# Altium PCB PCB1.PcbDoc
Units mm, origin at the board's own origin, x right, y up, seen from the top; angles counter-clockwise.
Board outline 156.72 x 95.12 mm, 2 copper layers (Top Layer, Bottom Layer); 24 components, 20 nets, 118 pads, 2 vias.
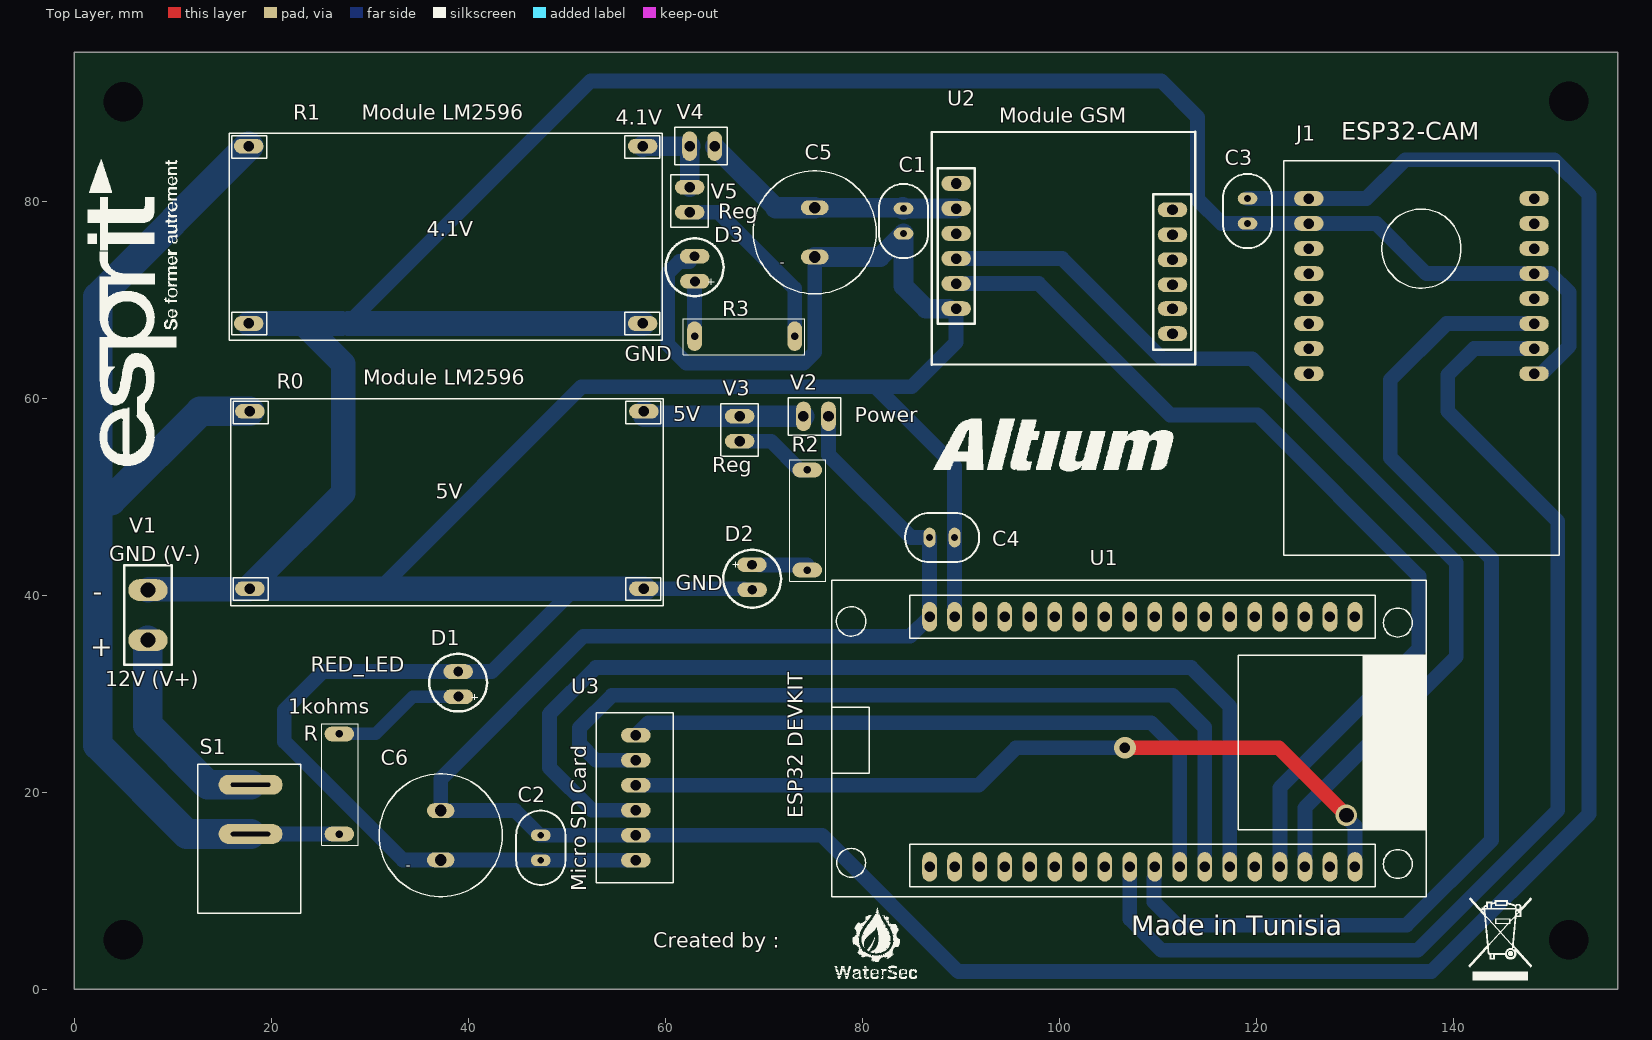
[diagram p0: Top Layer view]
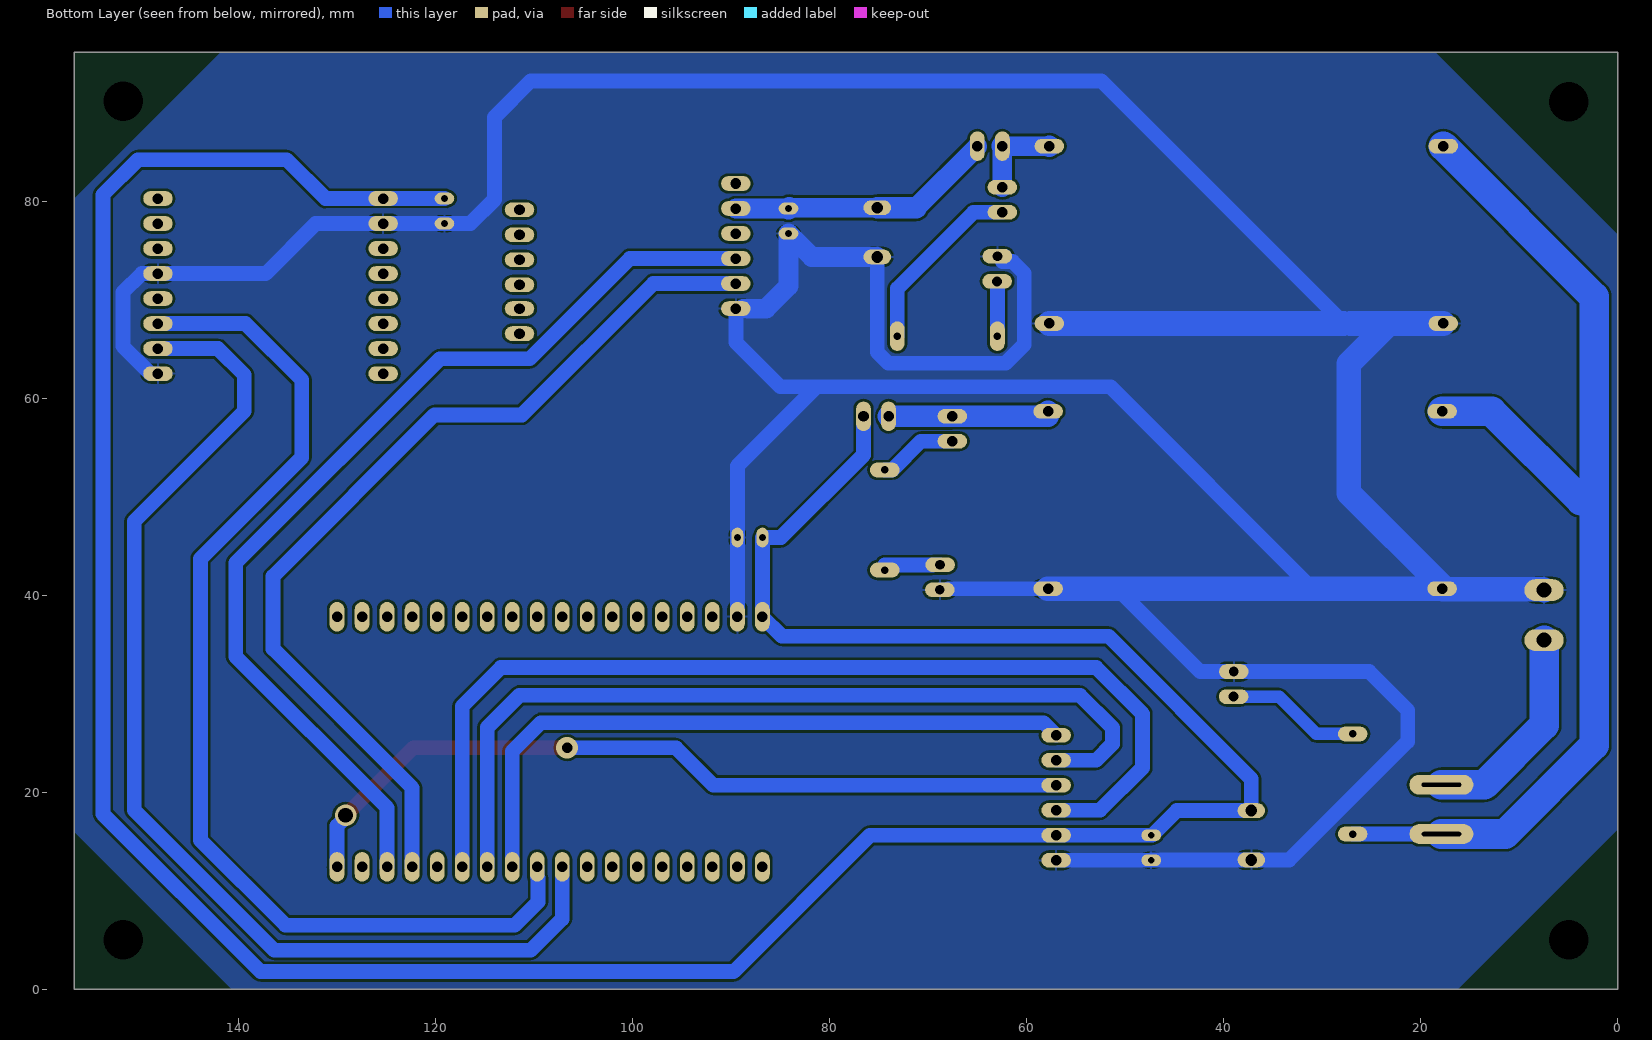
[diagram p1: Bottom Layer view, seen from below]
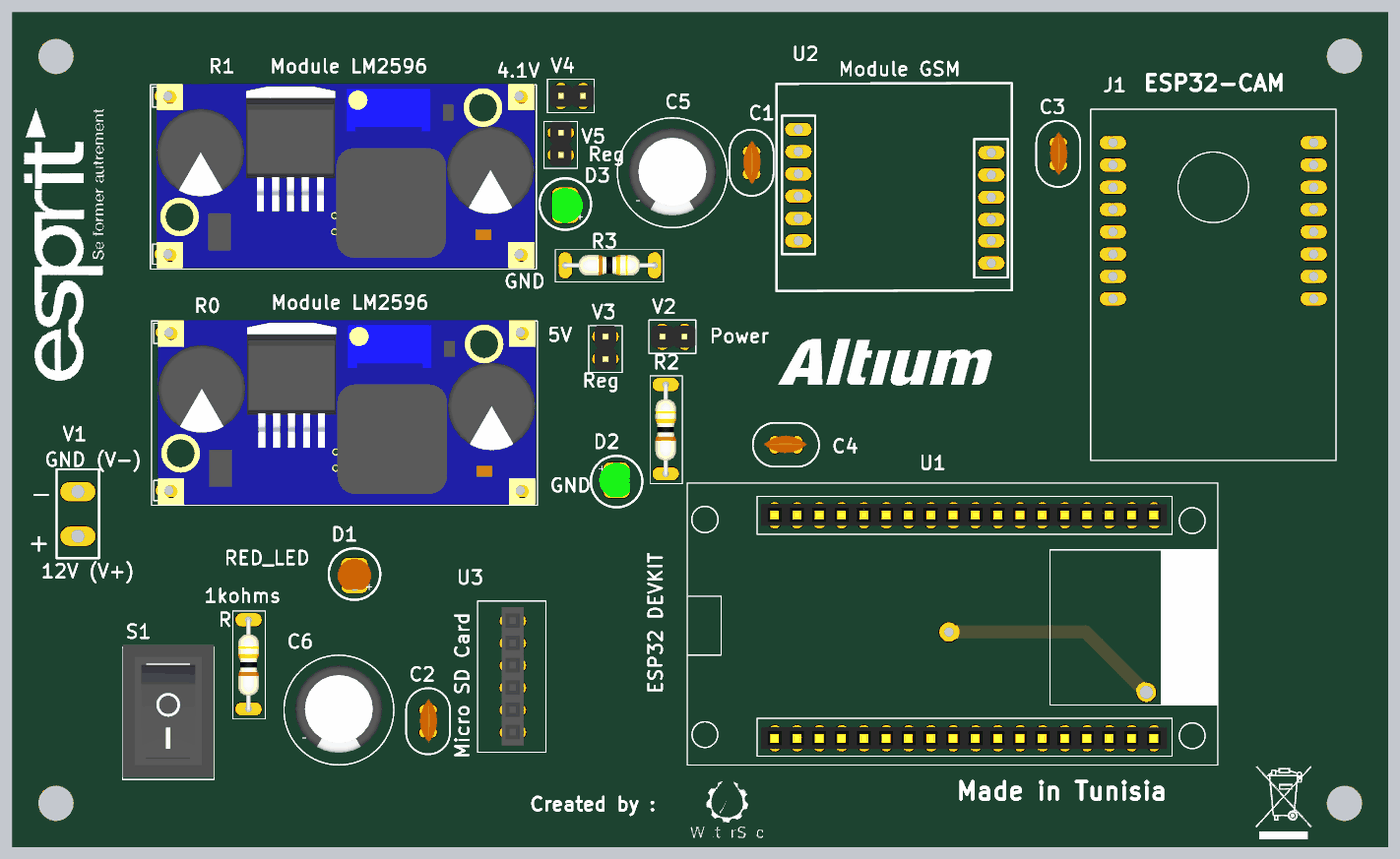
[diagram p2: 3D render of the assembled board from above, using the file's embedded part models]

## Layer stack, top to bottom
Top Solder: solder mask 0.0102, Solder Resist, Dk 3.5
Top Layer: signal copper 0.0356
Dielectric 1: dielectric 0.32, FR-4, Dk 4.8
Bottom Layer: signal copper 0.0356
Bottom Solder: solder mask 0.0102, Solder Resist, Dk 3.5

## Board outline
0,0 156.718,0 156.718,95.123 0,95.123

## Design rules (kind name [scope] priority, off if disabled: settings)
Clearance [All] p1: gap=0.254 ignorepadtopadclearanceinfootprint=FALSE except(0: SMDPad-Hole THPad-Hole Via-Hole Fill-Hole Poly-Hole Region-Hole Text-Hole)
PolygonConnect [All] p1: connectstyle=Relief reliefconductorwidth=0.254 reliefentries=4 polygonreliefangle="90 Angle" airgapwidth=0.254
RoutingVias [All] p1: holewidth=1.2 width=2.2 viastyle="Through Hole" minholewidth=1.5 minwidth=1.5 maxholewidth=1 maxwidth=3
SolderMaskExpansion [All] p1: expansion=0.102
Width [All] p1: maxlimit=3 minlimit=0.75 preferedwidth=1.5
30 further rules are at their usual default settings.

## Components (designator, comment, footprint, x,y, rotation, side; value= is the part's Value field where it differs from the comment)
C1 "capacitor" CAPACITOR 84.201,79.248 r270 top
C2 "capacitor" CAPACITOR 47.371,15.621 r270 top
C3 "capacitor" CAPACITOR 119.126,80.264 r270 top
C4 "capacitor" CAPACITOR 86.847,45.847 r0 top
C5 "condensateur chimique_470uF" "condensateur chimique 470f 16v -" 75.184,76.835 r180 top value=470µF
C6 "condensateur chimique_470uF" "condensateur chimique 470f 16v -" 37.211,15.621 r180 top value=470µF
D1 "LED_RED" LED 38.989,31.115 r180 top
D2 "LED_GREEN" LED_GREEN 68.834,41.656 r0 top
D3 "LED_GREEN" LED_GREEN 62.992,73.279 r180 top
J1 "ESP32-CAM" ESP32-CAM 136.779,70.104 r180 top
R "resistor" RESISTOR 26.924,20.828 r180 top
R0 "Module LM2596" "Module LM2596" 37.846,49.657 r0 top
R1 "Module LM2596" "Module LM2596" 37.719,76.581 r0 top
R2 "resistor" RESISTOR 74.422,47.625 r180 top
R3 "resistor" RESISTOR 68.072,66.294 r90 top
S1 "KCD11" PCBComponent_1#1 17.907,18.248 r0 top
U1 "ESP32 DEVKIT V1 (36 pins)" "ESP32 DEVKIT V1 (36 pins)" 102.362,25.106 r90 top
U2 "Module SIM800L" SIM800L 94.685,69.088 r0 top
U3 "SD card" "SULLINS_PPTC061LFBN-RC - duplicate" 57.023,19.431 r90 top
V1 "bornier a visser 2 poles" "bornier a visser 2 poles" 7.493,37.973 r0 top
V2 "conector 2" PCBComponent_1#2 76.581,58.149 r270 top
V3 "conector 2" PCBComponent_1#2 67.564,58.166 r0 top
V4 "conector 2" PCBComponent_1#2 65.024,85.589 r270 top
V5 "conector 2" PCBComponent_1#2 62.484,81.407 r0 top

## Footprints (in the part's own frame and the unit in brackets; to place one, negate y for a bottom-side part, rotate by r counter-clockwise, add the part's x,y. Pads: shape width x height; smd on the part's side, far side on the other; paste and mask are expansions set on the pad)
"bornier a visser 2 poles" [mm]
  oval 4x2.2 hole 1.5: 1(0,2.54) 2(0,-2.54)
  silkscreen extent -2.41,-5.04 2.41,5.08, body extent -5.3,-4.96 5,5.64, height 14.15
CAPACITOR [mm]
  oval 1.2x2 hole 0.7: 1(0,0) 2(2.54,0)
  silkscreen extent -2.5,-2.5 5.04,2.5, body extent -1.24,-0.95 3.68,1.05, height 5
"condensateur chimique 470f 16v -" [mm]
  oval 2.8x1.5 hole 1.2: 1(0,2.5) 2(0,-2.5)
  silkscreen extent -6.25,-6.25 6.25,6.25, body extent -5,-5.13 5,4.87, height 25
"ESP32 DEVKIT V1 (36 pins)" [mm]
  oval 3x1.5 hole 1.07: 1(-12.7,15.515) 2(-12.7,12.975) 3(-12.7,10.435) 4(-12.7,7.895) 5(-12.7,5.355) 6(-12.7,2.815) 7(-12.7,0.275) 8(-12.7,-2.265) 9(-12.7,-4.805) 10(-12.7,-7.345) 11(-12.7,-9.885) 12(-12.7,-12.425) 13(-12.7,-14.965) 14(-12.7,-17.505) 15(-12.7,-20.045) 16(-12.7,-22.585) 17(-12.7,-25.125) 18(-12.7,-27.665) 19(12.7,-27.665) 20(12.7,-25.125) 21(12.7,-22.585) 22(12.7,-20.045) 23(12.7,-17.505) 24(12.7,-14.965) 25(12.7,-12.425) 26(12.7,-9.885) 27(12.7,-7.345) 28(12.7,-4.805) 29(12.7,-2.265) 30(12.7,0.275) 31(12.7,2.815) 32(12.7,5.355) 33(12.7,7.895) 34(12.7,10.435) 35(12.7,12.975) 36(12.7,15.515)
  silkscreen extent -15.75,-34.92 16.38,25.48, body extent -13.95,-29.16 14,17.06, height 5
ESP32-CAM [mm]
  oval 3x1.5 hole 1.07: 1(-11.43,7.62) 2(-11.43,5.08) 3(-11.43,2.54) 4(-11.43,0) 5(-11.43,-2.54) 6(-11.43,-5.08) 7(-11.43,-7.62) 8(-11.43,-10.16) 9(11.43,-10.16) 10(11.43,-7.62) 11(11.43,-5.08) 12(11.43,-2.54) 13(11.43,0) 14(11.43,2.54) 15(11.43,5.08) 16(11.43,7.62)
  silkscreen extent -13.97,-13.97 13.97,26.04, body extent -13.5,-14.62 13.5,25.38, height 16.1
LED [mm]
  oval 3x1.5 hole 1: A(-0.025,1.422) K(0,-1.118)
  silkscreen extent -2.93,-2.93 2.93,2.93, body extent -1.9,-1.75 1.9,1.75, height 6.5
LED_GREEN [mm]
  oval 3x1.5 hole 1: A(-0.025,1.422) K(0,-1.118)
  silkscreen extent -2.93,-2.93 2.93,2.93, body extent -1.99,-1.84 1.5,2.15, height 5.38
"Module LM2596" [mm]
  oval 3x1.5 hole 1.07: 1(-20,9) 2(-20,-9) 3(20,9) 4(20,-9)
  silkscreen extent -21.97,-10.71 21.97,10.29, body extent -21.25,-10.63 21.75,10.37, height 13
PCBComponent_1#1 [mm]
  oval 6.5x2 hole 0.42 slot 4 at 0 deg: 1(0,2.5) 2(0,-2.5)
  silkscreen extent -5.34,-10.54 5.08,4.57, body extent -5.34,-10.27 5.08,4.83, height 13.85
PCBComponent_1#2 [mm]
  oval 3x1.5 hole 1.07: 1(0,0) 2(0,-2.54)
  silkscreen extent -1.91,-4.06 1.91,1.27, body extent -1.24,-3.81 1.24,1.27, height 8.54
RESISTOR [mm]
  oval 3x1.5 hole 0.762: 1(0,5.08) 2(0,-5.08)
  silkscreen extent -1.91,-6.1 1.78,6.22, body extent -1.17,-5.28 1.17,5.41, height 2.37
SIM800L [mm]
  oval 3x1.5 hole 1.07: 1(-5.15,12.7) 2(-5.15,10.16) 3(-5.15,7.62) 4(-5.15,5.08) 5(-5.15,2.54) 6(-5.15,0) 7(16.82,-2.54) 8(16.82,0) 9(16.82,2.42) 10(16.82,4.96) 11(16.82,7.5) 12(16.82,10.04)
  silkscreen extent -7.64,-5.72 19.15,17.97, body extent -6.64,-5.36 18.36,17.77, height 15.35
"SULLINS_PPTC061LFBN-RC - duplicate" [mm]
  oval 1.5x3 hole 1.07: 1(-6.35,0) 2(-3.81,0) 3(-1.27,0) 4(1.27,0) 5(3.81,0) 6(6.35,0)
  silkscreen extent -8.63,-3.78 8.62,4.02, body extent -7.84,-1.26 7.91,1.28, height 8.51

## Part data
J1: "ESP32 ESP32 Transceiver; 802.11 a/b/g/n (Wi-Fi, WiFi, WLAN), Bluetooth® Smart 4.x Low Energy (BLE) Evaluation Board", Package=None, Check_prices=https://www.snapeda.com/parts/ESP32-CAM/AI-Thinker/view-part/?ref=eda, MF=AI-Thinker, MP=ESP32-CAM, SnapEDA_Link=https://www.snapeda.com/parts/ESP32-CAM/AI-Thinker/view-part/?ref=snap
U1: "Dual core, Wi-Fi: 2.4 GHz up to 150 Mbits/s,BLE (Bluetooth Low Energy) and legacy Bluetooth, 32 bits, Up to 240 MHz", Package=None, Check_prices=https://www.snapeda.com/parts/ESP32-DEVKIT-V1/Do+it/view-part/?ref=eda, MF="Do it", MP=ESP32-DEVKIT-V1, SnapEDA_Link=https://www.snapeda.com/parts/ESP32-DEVKIT-V1/Do+it/view-part/?ref=snap
U2: library part SIM800L
U3: library part "SD card V2"
C1 C2 C3 C4: Cap en uF ou nF=100nF
R R2 R3: R=1kohms

## Free pads (board coordinates)
  round 1.524 hole 4: ""(5,5) ""(5,90.09) ""(151.718,5) ""(151.718,90.137)

## Via types
v1: diameter 2.2, hole 1.07, Top Layer to Bottom Layer, 1 vias
v2: diameter 2.2, hole 1.5, Top Layer to Bottom Layer, 1 vias

## Nets (pads, with @x,y where several pads share a name; then routed paths per layer and width w, separated by ;. In a path a pad name is that pad's centre, name@x,y a point inside that pad or via, vN(x,y) a via of type N, cw(c..) or ccw(c..) an arc to the next point about the centre after c; other vN are vias at no path point)
4.1V: C1.1 C5.2 U2.2 V4.1 | length 27.1
  Bottom Layer w2: V4.1@65.024,85.539 71.228,79.335 ; C5.2 C1.1@84.114,79.335 ; C1.1 U2.2
  Bottom Layer w2.2: 71.228,79.335 C5.2 ; C1.1@84.114,79.335 C1.1
5V: C2.1 C3.1 C4.1 C6.2 J1.9 U1.36 U3.2 V2.1 | length 315.3
  Bottom Layer w1.5: C6.2 37.211,21.336 51.689,35.814 84.855,35.814 U1.36 C4.1 84.963,45.847 76.581,54.229 V2.1 ; C6.2@37.861,18.121 44.771,18.121 47.271,15.621 C2.1 U3.2 75.925,15.621 89.768,1.778 137.795,1.778 153.797,17.78 153.797,80.645 150.241,84.201 135.128,84.201 131.191,80.264 J1.9 C3.1
+12: R0.1 R1.1 R.1 S1.2 | length 113.3
  Bottom Layer w1.5: S1.2 R.1
  Bottom Layer w3: 3.739,49.586 12.81,58.657 R0.1 ; R1.1 2.413,70.275 2.413,24.765 11.43,15.748 S1.2
CS: U1.11 U3.6 | length 68.7
  Bottom Layer w1.5: U3.6 58.293,27.051 109.347,27.051 112.247,24.151 U1.11
GND: C1.2 C2.2 C3.2 C4.2 C5.1 C6.1 D1.K D2.K D3.K J1.1 J1.5 J1.10 R0.2 R0.4 R1.2 R1.4 U1.35 U2.6 U3.1 V1.1 | length 527.9
  Bottom Layer w1: V1.1@7.112,40.894 V1.1 ; J1.1@148.082,62.357 J1.1
  Bottom Layer w1.5: 27.178,67.581 27.83,67.581 52.451,92.202 110.363,92.202 114.046,88.519 114.046,80.165 116.487,77.724 C3.2 J1.10 132.207,77.724 137.287,72.644 J1.5 149.86,72.644 151.765,70.739 151.765,65.278 148.971,62.484 J1.1 ; 31.369,40.657 31.369,41.021 51.509,61.161 85.028,61.161 89.535,65.667 U2.6 ; C2.2@47.271,13.081 C2.2 ; 50.817,40.657 42.393,32.233 D1.K 25.248,32.233 21.336,28.321 21.336,25.146 33.361,13.121 C6.1 47.331,13.121 C2.2 ; U3.1 C2.2 ; R0.4 67.965,40.657 68.084,40.538 D2.K ; D3.K 62.242,74.397 62.484,74.155 62.484,73.857 61.439,73.857 60.267,72.685 60.267,65.44 62.164,63.544 74.077,63.544 75.184,64.651 C5.1 ; 81.407,61.087 89.387,53.107 C4.2 U1.35
  Bottom Layer w2: C5.1 81.828,74.335 C1.2 84.201,71.374 86.487,69.088 U2.6@88.785,69.088
  Bottom Layer w2.5: V1.1 7.565,40.585 17.774,40.585 R0.2 ; R1.2 27.178,67.581 ; 23.368,67.437 27.305,63.5 27.305,50.366 17.846,40.907 R0.2 ; 27.83,67.581 R1.4 ; R0.4 50.817,40.657 31.369,40.657 R0.2
MISO: U1.13 U3.3 | length 105
  Bottom Layer w1.5: U3.3 52.578,18.161 48.26,22.479 48.26,27.94 52.959,32.639 113.411,32.639 117.327,28.723 U1.13
MOSI: U1.18 U3.4 | length 82.2
  Top Layer w1.5: v1(106.68,24.511) 122.301,24.511 v2(129.159,17.653)
  Bottom Layer w1.5: U3.4 91.821,20.701 95.631,24.511 v1(106.68,24.511) ; v2(129.159,17.653) 129.159,17.464 130.027,16.596 U1.18 U1.18@130.048,12.385
NetD1_A: D1.A R.2 | length 13.7
  Bottom Layer w1.27: R.2 30.607,25.908 34.392,29.693 D1.A
NetD2_A: D2.A R2.1 | length 5.6
  Bottom Layer w1.5: D2.A 69.559,43.078 69.584,43.053 R2.1@74.422,43.053
NetD3_A: D3.A R3.1 | length 5.6
  Bottom Layer w1.5: R3.1 62.992,71.857 D3.A
NetR0_3: R0.3 V2.2 V3.1 | length 16.2
  Bottom Layer w2.2: R0.3 R0.3@57.854,58.665 ; R0.3@57.854,58.157 67.555,58.157 V3.1 67.573,58.157 74.033,58.157 V2.2
NetR1_3: R1.3 V4.2 V5.1 | length 9
  Bottom Layer w2: R1.3@57.723,85.585 V4.2@62.48,85.585 ; V5.1 V4.2
  Bottom Layer w2.2: R1.3 R1.3@57.723,85.585 ; V4.2@62.48,85.585 V4.2
NetR2_2: R2.2 V3.2 | length 8.1
  Bottom Layer w1.5: V3.2 70.751,55.626 73.672,52.705 R2.2
NetR3_2: R3.2 V5.2 | length 18.7
  Bottom Layer w1.5: V5.2 65.405,78.867 73.152,71.12 R3.2
NetS1_1: S1.1 V1.2 | length 21.6
  Bottom Layer w3: V1.2 7.493,26.797 13.542,20.748 S1.1
RX_GSM: U1.16 U2.4 | length 100.8
  Bottom Layer w1.5: U2.4 100.307,74.168 110.467,64.008 119.575,64.008 140.311,43.272 140.311,33.758 124.947,18.394 U1.16
SCK: U1.12 U3.5 | length 88.4
  Bottom Layer w1.5: U3.5 52.959,23.241 51.308,24.892 51.308,26.543 54.61,29.845 111.506,29.845 114.787,26.564 U1.12
TX_GSM: U1.15 U2.5 | length 94.7
  Bottom Layer w1.5: U2.5 97.917,71.628 111.252,58.293 120.142,58.293 136.525,41.91 136.525,34.544 122.407,20.426 U1.15
UOR: J1.3 U1.10 | length 110.4
  Bottom Layer w1.5: U1.10 109.707,11.367 109.618,11.277 109.618,8.852 111.993,6.477 135.255,6.477 143.891,15.113 143.891,43.688 133.604,53.975 133.604,61.849 139.319,67.564 J1.3
UOT: J1.2 U1.9 | length 114.6
  Bottom Layer w1.5: U1.9 107.167,7.133 110.363,3.937 136.398,3.937 150.622,18.161 150.622,47.498 139.446,58.674 139.446,62.357 142.113,65.024 J1.2
pads on no net: J1.4 J1.6 J1.7 J1.8 J1.11 J1.12 J1.13 J1.14 J1.15 J1.16 U1.1 U1.2 U1.3 U1.4 U1.5 U1.6 U1.7 U1.8 U1.14 U1.17 U1.19 U1.20 U1.21 U1.22 U1.23 U1.24 U1.25 U1.26 U1.27 U1.28 U1.29 U1.30 U1.31 U1.32 U1.33 U1.34 U2.1 U2.3 U2.7 U2.8 U2.9 U2.10 U2.11 U2.12

## Polygon pours and split planes (outlines as drawn)
GND on Bottom Layer "Bottom Layer-GND" (solid, pour order 28): 0,16.129 16.129,0 140.716,0 156.718,16.002 156.718,79.462 156.718,80.264 141.859,95.123 18.542,95.123 0,76.581 0,16.129 0.127,16.129 16.256,0
no net on Bottom Layer "Bottom Layer-No Net" (solid, pour order 8): 156.718,15.494

## Silkscreen, mask and mechanical layers (free items; w line width, h text height)
Top Overlay:
  drawing of 50 lines, arcs and shapes, not listed
  text "4.1V" at 54.991,87.757 h1.52
  text "Reg" at 65.405,78.232 h1.52
  text "4.1V" at 35.814,76.454 h1.52
  text "GND" at 55.88,63.754 h1.52
  text "5V" at 60.833,57.658 h1.52
  text "Power" at 79.248,57.531 h1.52
  text "Reg" at 64.77,52.451 h1.52
  text "5V" at 36.703,49.784 h1.52
  text "GND (V-)" at 3.556,43.434 h1.52
  text "GND" at 61.087,40.513 h1.52
  text "-" at 1.905,39.37 h2
  text "+" at 1.651,33.782 h2
  text "RED_LED" at 24.003,32.233 h1.52
  text "12V (V+)" at 3.175,30.734 h1.52
  text "1kohms" at 21.717,27.94 h1.52
  text "Made in Tunisia" at 107.315,5.461 h2
  text "Created by :" at 58.786,4.191 h1.52

## Text inside footprints (layer, text, board x,y; h text height)
C5: Top Overlay "-" at 72.136,74.041 h1 r180
C6: Top Overlay "-" at 34.163,12.827 h1 r180
U1: Top Overlay "ESP32 DEVKIT" at 73.987,17.356 h1.52 r90
U2: Top Overlay "Module GSM" at 93.939,87.941 h1.52
U3: Top Overlay "Micro SD Card" at 51.983,9.961 h1.52 r90